# Altium PCB Dahlia Carrier Board.PcbDoc (part 8 of 10)
Units mm, origin at the board's own origin, x right, y up, seen from the top; angles counter-clockwise.
Board outline 120 x 120 mm, 6 copper layers (Top Layer, GND, Layer 1, Layer 2, GND2, Bottom Layer), stack 1.558 mm thick; 879 components, 677 nets, 3194 pads, 1445 vias.
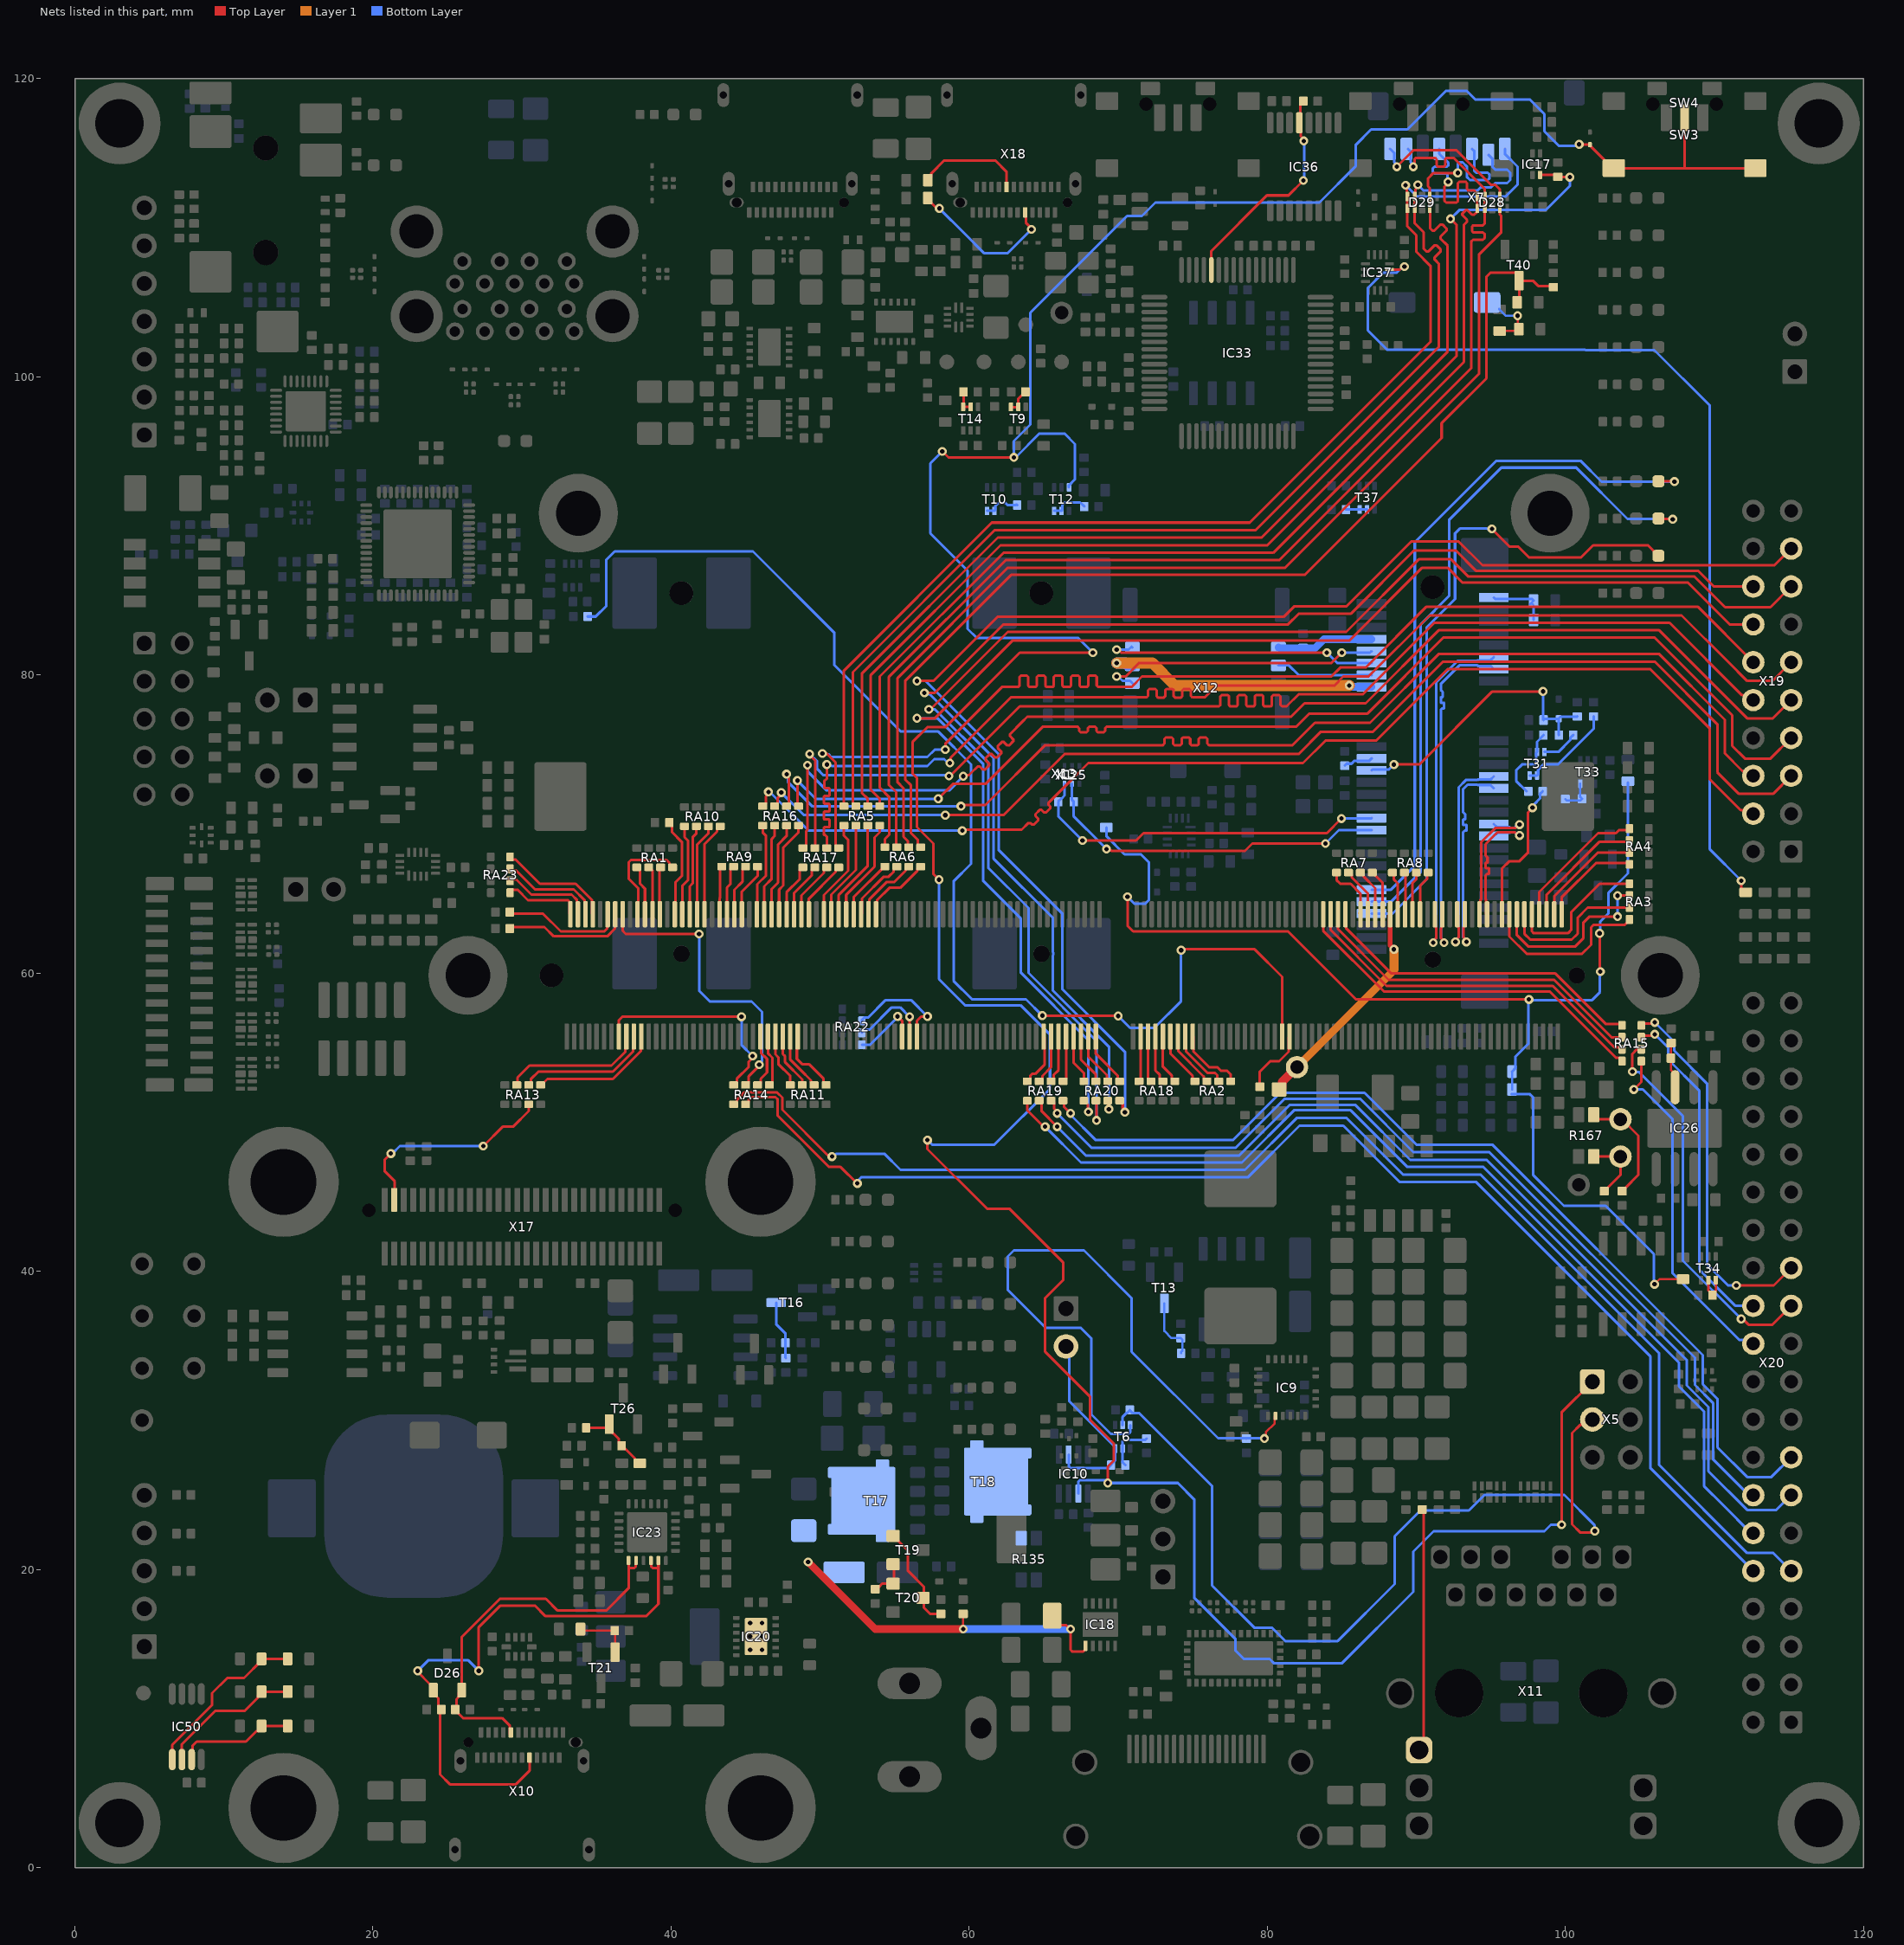
[diagram p12: the nets of this part, all layers, seen from the top]

## Via types
v1: diameter 0.6, hole 0.3, Top Layer to Bottom Layer, tented both sides, 1316 vias
v2: diameter 0.6/0/0/0/0/0.6 (per signal layer), hole 0.3, Top Layer to Bottom Layer, tented both sides, 70 vias
v3: diameter 0.6, hole 0.3, Top Layer to Bottom Layer, 58 vias
v4: diameter 0.6/0.6/0.6/0.6/0.6/0.6 (per signal layer), hole 0.3, Top Layer to Bottom Layer, tented both sides, 1 vias

## Nets (pads, with @x,y where several pads share a name; then routed paths per layer and width w, separated by ;. In a path a pad name is that pad's centre, name@x,y a point inside that pad or via, vN(x,y) a via of type N, cw(c..) or ccw(c..) an arc to the next point about the centre after c; other vN are vias at no path point) (continued)
NetR78_2: R78.2 R80.2 T6.5 | length 3.3
  Bottom Layer w0.175: R80.2@70.48,27 70.3,27.18 T6.5@70.3,28.11 70.3,28.597 70.403,28.7 71.82,28.7 R78.2@71.9,28.78
NetR102_1: R102.1 T9.5 T9.6 | length 1.7
  Top Layer w0.175: T9.6@62.8,97.99 62.8,97.965 T9.5@63.225,97.965 ; T9.5@63.3,97.99 63.3,98.538 63.54,98.778 63.582,98.778 63.78,98.975 R102.1@63.78,99
NetR109_1: R109.1 T10.5 T10.6 | length 2.5
  Bottom Layer w0.175: T10.6@61.2,91.01 T10.5@61.7,91.01 61.762,91.073 61.762,91.343 61.952,91.533 62.448,91.533 62.568,91.412 63.152,91.412 63.18,91.44 R109.1@63.22,91.4
NetR113_1: R113.1 R114.1 T13.3 | length 4.2
  Bottom Layer w0.15: T13.3@73.1,37.85 73.1,36 73.58,35.52 R113.1@74.2,35.52 74.3,35.42 74.3,34.665 74.22,34.585 R114.1@74.22,34.5
NetR115_1: R115.1 T12.5 T12.6 | length 2.6
  Bottom Layer w0.175: T12.6@65.7,91.01 T12.5@66.2,91.01 66.262,91.073 66.262,91.437 66.4,91.575 67.445,91.575 67.498,91.522 67.522,91.522 67.72,91.325 R115.1@67.72,91.3
NetR120_1: R120.1 T14.5 T14.6 | length 1.5
  Top Layer w0.175: R120.1@59.62,99 59.62,98.162 59.62,98.01 T14.6@59.6,97.99 T14.5@60.1,97.99
NetR121_1: R121.1 R123.1 T16.3 | length 4
  Bottom Layer w0.175: T16.3@47.05,37.9 47.05,36.45 47.68,35.82 R121.1@47.68,35.2 47.68,34.2 R123.1@47.7,34.18
NetR135_1: R135.1 T18.5 T18.6 T18.7 T18.8
NetR137_1: R137.1 T19.1 T20.3 | length 7
  Top Layer w0.175: T19.1@54.9,22.25 54.95,22.25 55.275,21.925 55.275,21.875 55.9,21.25 55.9,19.9 56.948,18.852 56.948,18.094 56.948,17.452 57.38,17.02 R137.1@58.1,17.02
NetR139_2: R139.2 T19.2 T20.1 | length 2.7
  Top Layer w0.175: R139.2@53.7,18.68 53.823,18.802 53.922,18.802 54.164,19.044 54.948,19.044 54.948,20.302 T19.2@54.9,20.35
NetR157_1: R157.1 R167.2 TP10.1 | length 4.6
  Top Layer w0.175: R167.2@101.908,47.703 103.697,47.703 TP10.1@103.7,47.7 103.7,46.464 102.837,45.602 102.837,45.577 102.64,45.379 R157.1@102.615,45.379
NetR158_1: R158.1 R167.3 TP11.1 | length 7.8
  Top Layer w0.175: R167.3@101.908,50.497 101.908,50.494 102.201,50.2 103.8,50.2 104.9,49.1 104.9,46.464 104.037,45.602 104.037,45.577 103.84,45.379 R158.1@103.815,45.379
NetR162_2: R162.2 R163.2 T21.1 | length 3.9
  Top Layer w0.15: R162.2@33.925,16 33.925,15.9 R163.2@36.25,15.9 ; R163.2@36.22,15.9 R163.2@36.25,15.9 ; T21.1@36.25,14.45 R163.2@36.25,15.9
NetR175_1: R175.1 R176.1 R178.2 T26.1 | length 5.2
  Top Layer w0.175: R175.1@34.3,29.5 35.625,29.5 T26.1@35.82,29.695 ; T26.1@35.85,29.75 35.85,29.725 T26.1@35.82,29.695 ; R176.1@37.9,27.125 37.8,27.125 37.562,27.363 37.562,27.463 36.947,28.078 36.877,28.078 36.68,28.275 R178.2@36.68,28.3 36.507,28.473 36.507,28.743 35.842,29.408 35.842,29.673 T26.1@35.82,29.695
NetR206_1: R206.1 X11.15 | length 16.4
  Top Layer w0.175: X11.15@90.193,7.886 90.277,7.886 90.5,8.109 90.5,23.92 R206.1@90.4,24.02
NetR222_1: R222.1 T31.5 T31.6 | length 6.6
  Bottom Layer w0.175: T31.6@97.6,73.26 T31.5@98.1,73.26 98.175,73.335 98.175,73.65 98.525,74 99.5,74 101.9,76.4 R222.1@101.9,77.22
NetR224_1: R224.1 T31.3 | length 2.5
  Bottom Layer w0.175: T31.3@98.6,74.84 99.54,74.84 100.331,75.631 100.331,75.779 R224.1@100.528,75.976
NetR228_1: R228.1 R229.1 T33.3 | length 2.3
  Bottom Layer w0.15: R229.1@100,71.68 100.1,71.58 101,71.58 R228.1@101.12,71.7 101,71.82 T33.3@101,72.71
NetR236_1: R236.1 T34.5 T34.6 | length 2.2
  Top Layer w0.15: T34.5@109.6,39.41 109.6,38.705 109.88,38.425 R236.1@109.88,38.4 109.992,38.513 110.09,38.61 110.09,38.713 110.1,38.723 T34.6@110.1,39.41
NetR245_1: R245.1 T37.5 T37.6 | length 1.4
  Bottom Layer w0.175: R245.1@85.28,91.1 85.285,91.105 86.695,91.105 T37.5@86.7,91.11
NetR297_2: R297.2 X18.B5 | length 7.3
  Top Layer w0.175: R297.2@57.225,113.2 57.462,113.437 57.462,113.663 58.3,114.5 61.775,114.5 62.5,113.775 X18.B5@62.5,112.74
NetR298_2: R298.2 X18.A5 | length 10.5
  Top Layer w0.175: R298.2@57.225,112 57.225,111.9 57.462,111.662 57.476,111.662 57.757,111.381 57.919,111.381 v1(58,111.3) ; X18.A5@63.75,111.04 63.8,110.99 63.8,110.35 64.175,109.975 v1(64.175,109.9)
  Bottom Layer w0.175: v1(58,111.3) 59.686,109.614 61.015,108.286 62.56,108.286 v1(64.175,109.9)
NetR351_1: R351.1 R353.2 X7.10B | length 3.6
  Top Layer w0.15: R353.2@95.6,103.075 95.7,103.075 95.712,103.088 96.763,103.088 96.8,103.125 v1(96.8,104.1)
  Bottom Layer w0.15: X7.10B@95.56,104.563 96.023,104.1 v1(96.8,104.1)
PCIE_1_C_FB: IC26.7 R237.1 R238.2 | length 3.1
  Top Layer w0.15: R237.1@107.1,55.315 107.1,54.315 R238.2@107.08,54.295 107.08,53.508 107.365,53.223 IC26.7@107.365,52.35 IC26.7@107.365,52.345
PCIE_1_CLK_N: X1.226 X13.11 | length 24.1
  Top Layer w0.175: v2(91.134,62.05) 91.134,62.154 91.345,62.365 91.345,62.714 91.348,62.716 91.348,63 91.313,63.035 91.313,63.887 X1.226@91.25,63.95
  Bottom Layer w0.175: v2(91.134,62.05) 91.134,62.154 91.345,62.365 91.345,79.526 92.771,80.953 94.102,80.953 94.137,80.988 94.988,80.988 X13.11@95.2,81.2
PCIE_1_CLK_P: X1.228 X13.13 | length 24.1
  Top Layer w0.175: X1.228@91.75,63.95 91.688,63.887 91.688,63.035 91.653,63 91.653,62.59 91.65,62.587 91.65,62.365 91.861,62.154 v2(91.861,62.05)
  Bottom Layer w0.175: v2(91.861,62.05) 91.861,62.154 91.65,62.365 91.65,77.2 91.65,77.663 91.753,77.765 91.848,77.765 91.866,77.784 91.866,78.121 91.848,78.14 91.669,78.14 91.65,78.159 91.65,78.496 91.669,78.515 91.753,78.515 91.771,78.534 91.771,78.871 91.753,78.89 91.65,78.993 91.65,79.125 91.65,79.4 92.897,80.647 94.102,80.647 94.137,80.612 94.988,80.612 X13.13@95.2,80.4
PCIE_1_L0_RX_N: X1.232 X13.23 | length 15.1
  Top Layer w0.175: v2(92.634,62.1) 92.634,62.199 92.85,62.415 92.85,63.057 92.813,63.095 92.813,63.887 X1.232@92.75,63.95
  Bottom Layer w0.175: v2(92.634,62.1) 92.634,62.204 92.845,62.415 92.845,72.476 93.321,72.953 94.102,72.953 94.137,72.988 94.988,72.988 X13.23@95.2,73.2
PCIE_1_L0_RX_P: X1.234 X13.25 | length 15.2
  Top Layer w0.175: X1.234@93.25,63.95 93.188,63.887 93.188,63.092 93.155,63.06 93.155,62.415 93.361,62.209 v2(93.361,62.1)
  Bottom Layer w0.175: v2(93.361,62.1) 93.361,62.204 93.15,62.415 93.15,69 93.15,69.463 93.253,69.565 93.363,69.565 93.382,69.584 93.382,69.921 93.363,69.94 93.169,69.94 93.15,69.959 93.15,70.296 93.169,70.315 93.259,70.315 93.277,70.334 93.277,70.671 93.259,70.69 93.253,70.69 93.15,70.793 93.15,71.075 93.15,72.35 93.448,72.648 94.102,72.648 94.137,72.612 X13.25@94.236,72.612 ; X13.25@94.212,72.636 X13.25@94.236,72.612 ; X13.25@95.2,72.4 94.988,72.612 X13.25@94.236,72.612
PCIE_1_L0_TX_N: X1.238 X13.31 | length 9.9
  Top Layer w0.175: X1.238@94.25,63.95 94.313,64.012 94.313,64.909 94.348,64.944 94.348,68.779 95.324,69.755 96.681,69.755 96.892,69.966 v2(96.925,69.966)
  Bottom Layer w0.175: X13.31@95.2,70 95.413,69.788 96.263,69.788 96.295,69.755 96.61,69.755 96.821,69.966 v2(96.925,69.966)
PCIE_1_L0_TX_P: X1.240 X13.33 | length 9.9
  Top Layer w0.175: X1.240@94.75,63.95 94.688,64.012 94.688,64.909 94.653,64.944 94.653,66.1 94.653,66.563 94.755,66.665 94.866,66.665 94.885,66.684 94.885,67.021 94.866,67.04 94.671,67.04 94.653,67.059 94.653,67.396 94.671,67.415 94.759,67.415 94.778,67.434 94.778,67.771 94.759,67.79 94.755,67.79 94.653,67.893 94.653,68.125 94.653,68.653 95.45,69.45 96.625,69.45 96.836,69.239 v2(96.925,69.239)
  Bottom Layer w0.175: X13.33@95.2,69.2 95.413,69.412 96.263,69.412 96.3,69.45 96.61,69.45 96.821,69.239 v2(96.925,69.239)
PCIE_1_PWR_EN: R213.1 R230.2 R231.2 R232.1 R234.2 | length 86.9
  Top Layer w0.15: v1(105.982,39.132) 106.325,39.475 R234.2@107.9,39.475
  Top Layer w0.175: v1(70.625,65.125) 70.625,63.175 71,62.8 81.4,62.8 85.95,58.25 97.501,58.25 97.513,58.238 v1(97.557,58.238) ; v1(102.294,62.671) 102.32,62.645 102.32,60.132 v1(102.346,60.105)
  Bottom Layer w0.15: R231.2@96.425,52.2 R230.2@96.425,53.4
  Bottom Layer w0.175: R213.1@69.2,69.775 69.2,69.2 70.425,67.975 71.525,67.975 72.05,67.45 72.05,64.9 71.8,64.65 71.1,64.65 v1(70.625,65.125) ; R231.2@96.4,51.9 97.6,51.9 97.85,51.65 97.85,46.45 99.9,44.4 102.7,44.4 105.945,41.155 105.945,39.17 v1(105.982,39.132) ; R230.2@96.425,53.4 96.662,53.638 96.662,54.41 97.513,55.26 97.513,58.193 v1@97.52,58.2 ; v1(97.557,58.238) v1@97.52,58.2 ; v1(102.294,62.671) 102.35,62.727 102.35,63.475 102.9,64.025 102.9,65.4 104.2,66.7 R232.1@104.2,72.8 ; v1(102.346,60.105) 102.325,60.084 102.325,58.725 101.8,58.2 v1@97.52,58.2
PCIE_1_RESET#: R219.2 R226.2 T31.2 | length 5.3
  Bottom Layer w0.175: R219.2@97.4,72.2 96.7,72.9 96.7,73.6 97.1,74 97.935,74 98.038,74.103 98.038,74.778 T31.2@98.1,74.84 98.1,75.523 98.528,75.951 R226.2@98.528,75.976
PCIE_1_SMCLK: IC25.7 R209.1 X13.30 | length 24.7
  Top Layer w0.175: v1(67.6,68.9) 71.2,68.9 71.7,69.4 84,69.4 v1(84.975,70.375)
  Bottom Layer w0.175: IC25.7@66.4,72.695 66.4,71.92 66.202,71.723 66.177,71.723 65.98,71.525 65.98,70.52 v1(67.6,68.9) ; v1(84.975,70.375) 86.975,70.375 X13.30@87,70.4
PCIE_1_SMDAT: IC25.6 R208.1 X13.32 | length 23.8
  Top Layer w0.175: v1(69.216,68.329) 69.297,68.248 69.483,68.248 69.531,68.2 78.5,68.2 79,68.7 v1(83.9,68.7)
  Bottom Layer w0.175: IC25.6@66.9,72.695 66.9,71.62 R208.1@67.02,71.5 67.02,71.49 67,71.47 67,70.545 68.837,68.708 v1(69.216,68.329) ; v1(83.9,68.7) 84.8,69.6 X13.32@87,69.6
PCIE_1_UIM_CLK: X12.S3 X13.12 | length 18.6
  Top Layer w0.175: v1(69.9,81.7) 70.015,81.7 70.215,81.5 v1(84,81.5)
  Bottom Layer w0.175: v1(69.9,81.7) 70.7,81.7 70.9,81.9 X12.S3@70.95,81.85 ; v1(84,81.5) 84.7,80.8 X13.12@87,80.8
PCIE_1_UIM_DATA: X12.S6 X13.10 | length 19.2
  Top Layer w0.175: v1(69.9,79.9) 70.5,79.9 71.4,80.8 84.3,80.8 v1(85,81.5)
  Bottom Layer w0.175: v1(69.9,79.9) 69.9,80 70.29,79.61 70.79,79.61 X12.S6@70.95,79.45 ; v1(85,81.5) 86.9,81.5 X13.10@87,81.6
PCIE_1_UIM_PWR: C230.2 X12.S1 X13.8 | length 6.5
  Bottom Layer w0.5: X12.S1@80.75,81.85 80.79,81.81 83.21,81.81 83.8,82.4 X13.8@87,82.4
PCIE_1_UIM_RESET: X12.S2 X13.14 | length 6.5
  Bottom Layer w0.175: X12.S2@80.75,80.65 81.45,80.65 82.1,80 X13.14@87,80
PCIE_1_UIM_VPP: X12.S5 X13.16 | length 18.9
  Layer 1 w0.75: v1(69.9,80.8) 72.3,80.8 73.8,79.3 v1(85.5,79.3)
  Bottom Layer w0.5: v1(85.5,79.3) 85.527,79.3 85.622,79.205 86.995,79.205 X13.16@87,79.2
  Bottom Layer w0.75: v1(69.9,80.8) 70.501,80.8 70.626,80.675 70.925,80.675 X12.S5@70.95,80.65
PCIE_1_WAKE#: R2.2 R217.2 X13.1 | length 4.2
  Bottom Layer w0.175: X13.1@95.2,85.2 95.3,85.1 97.775,85.1 R2.2@97.875,85 97.875,84.987 97.638,84.75 R2.2@97.625,84.75 ; R2.2@97.8,84.737 97.875,84.663 R217.2@97.875,83.7
PCIE_1_WDISABLE#: R212.1 X13.20 | length 2
  Bottom Layer w0.18: R212.1@85.2,73.92 85.332,74.052 85.652,74.052 85.85,74.25 86.85,74.25 X13.20@87,74.4
PCIE_1_WLAN#: LED19.K X13.44 | length 47.4
  Top Layer w0.175: LED19.K@106.25,90.5 106.275,90.475 107.175,90.475 v1(107.2,90.45)
  Bottom Layer w0.175: X13.44@87,64.8 88.3,64.8 90.3,66.8 90.3,83.4 92.2,85.3 92.2,90.4 95.712,93.912 100.737,93.912 104.175,90.475 107.175,90.475 v1(107.2,90.45)
PCIE_1_WPAN#: LED20.K X13.46 | length 43.8
  Top Layer w0.175: v1(95.075,89.8) 96.275,88.6 96.85,88.6 97.55,87.9 101.07,87.9 101.87,88.7 105.55,88.7 LED20.K@106.25,88
  Bottom Layer w0.175: X13.46@87,64 88.4,64 90.7,66.3 90.7,83.2 92.6,85.1 92.6,89.5 92.925,89.825 94.725,89.825 94.75,89.8 v1(95.075,89.8)
PCIE_1_WWAN#: LED18.K X13.42 | length 46.6
  Top Layer w0.175: LED18.K@106.25,93 106.262,92.988 107.313,92.988 v1(107.325,92.975)
  Bottom Layer w0.175: X13.42@87,65.6 88.3,65.6 89.9,67.2 89.9,88.9 95.35,94.35 101.05,94.35 102.425,92.975 v1(107.325,92.975)
PERST#: C141.2 D38.A R223.1 R224.2 X13.22 | length 19.1
  Top Layer w0.175: v1(88.5,74) 90.2,74 95.1,78.9 v1(98.5,78.9)
  Bottom Layer w0.175: X13.22@87,73.6 87.06,73.66 88.16,73.66 v1(88.5,74) ; v1(98.5,78.9) 98.5,77.014 C141.2@98.538,76.976 98.628,77.066 D38.A@99.548,77.066 ; R224.2@99.568,75.976 99.548,75.996 D38.A@99.548,77.066 ; R223.1@100.8,77.22 100.771,77.191 99.673,77.191 D38.A@99.548,77.066
PMIC_EN_3.3V: IC9.2 R79.2 T6.3 | length 44.5
  Top Layer w0.15: v1(79.815,28.782) 79.901,28.868 79.901,29.201 80.5,29.8 80.5,30.25 IC9.2@80.55,30.3
  Bottom Layer w0.175: T6.3@70.8,29.69 70.8,29.203 70.697,29.1 69.5,29.1 68.2,30.4 68.2,35.5 67.5,36.2 65.149,36.2 62.6,38.749 62.6,41 63,41.4 67.7,41.4 70.9,38.2 70.9,34.6 76.7,28.8 78.58,28.8 R79.2@78.6,28.78 78.63,28.81 79.787,28.81 v1(79.815,28.782)
PWM_1: RA14.8 X20.9 | length 92.6
  Top Layer w0.175: RA14.8@44.2,51.2 44.25,51.2 44.412,51.363 44.412,51.498 44.904,51.99 47.123,51.99 47.463,51.65 47.463,50.837 50.519,47.781 50.719,47.781 v1(50.8,47.7)
  Bottom Layer w0.175: v1(50.8,47.7) 50.915,47.7 51.103,47.888 54.313,47.888 55.4,46.8 78.5,46.8 82,50.3 85.3,50.3 89.1,46.5 94.3,46.5 106.3,34.5 106.3,27 112.2,21.1 113.95,21.1 X20.9@115.15,19.9
PWM_2: RA14.7 X20.10 | length 89.4
  Top Layer w0.175: RA14.7@45,51.2 45.05,51.2 45.212,51.363 45.212,51.498 45.402,51.688 46.998,51.688 47.161,51.525 47.161,50.44 50.6,47 51.372,47 52.472,45.9 v1(52.5,45.9)
  Bottom Layer w0.175: v1(52.5,45.9) 52.5,46.015 52.648,46.163 52.648,46.197 52.765,46.314 56.113,46.314 56.128,46.3 78.7,46.3 82.168,49.768 85.105,49.768 88.873,46 94,46 105.7,34.3 105.7,26.81 X20.10@112.61,19.9
PWM_3_DSI: RA13.6 X17.58 | length 14.3
  Top Layer w0.175: v1(21.2,47.9) 20.8,47.5 20.8,46.7 21.466,46.034 X17.58@21.466,44.899 ; v1(27.4,48.4) 28.7,49.7 29.4,49.7 30.45,50.75 RA13.6@30.45,51.2
  Bottom Layer w0.175: v1(21.2,47.9) 21.3,47.9 21.8,48.4 v1(27.4,48.4)
PWR_1V8_MOCI: L21.1 TP18.1 X1.214 | length 15.1
  Top Layer w0.3: X1.214@88.25,63.95 88.25,61.85 v1(88.5,61.6)
  Top Layer w0.6: L21.1@80.8,52.2 80.825,52.2 81,52.375 81,52.7 TP18.1@82,53.7
  Layer 1 w0.502: TP18.1@82,53.7 88.534,60.234 88.5,60.268
  Layer 1 w0.6: 88.5,60.268 v1(88.5,61.6)
PWR_BTN#: D23.1 IC10.2 SW3.3 SW3.4 SW4.2 T12.3 X5.1 | length 250.5
  Top Layer w0.175: v1(57.2,48.8) 57.2,48.2 61.2,44.2 62.7,44.2 66.3,40.6 66.3,39.406 65.1,38.206 65.1,34.6 68.1,31.6 68.1,30.051 69.7,28.451 69.7,27.3 69.3,26.9 v1(69.3,25.8) ; v1(57.975,66.275) 57.6,66.65 57.6,68.7 56.5,69.8 56.5,73.1 56.2,73.4 56.2,75.5 57.2,76.5 58.4,76.5 63.4,81.5 v1(68.3,81.5) ; v1(58.2,95) 58.215,95 58.615,94.6 v1(63,94.6) ; v1(99.75,23) 99.75,30.535 X5.1@101.815,32.6 ; v1(100.925,115.6) 100.935,115.59 101.64,115.59 D23.1@101.65,115.58 101.65,115.525 101.687,115.488 101.689,115.488 102.589,114.587 102.589,114.512 103.101,114 SW3.4@103.25,114 108,114 ; SW4.2@108,117.4 108,114 ; SW3.3@113.25,114 SW3.3@112.75,114 108,114
  Bottom Layer w0.175: v1(57.2,48.8) 57.215,48.8 57.515,48.5 61.7,48.5 65.425,52.225 65.425,55.875 63.45,57.85 59.725,57.85 57.975,59.6 v1(57.975,66.275) ; v1(58.2,95) 57.398,94.198 57.398,89.502 59.9,87 59.9,83.1 60.5,82.5 67.3,82.5 v1(68.3,81.5) ; v1(63,94.6) 63.112,94.6 64.712,96.2 66.4,96.2 67.1,95.5 67.1,93.125 66.7,92.725 T12.3@66.7,92.59 ; v1(63,94.6) 63,95.7 64.1,96.8 64.1,104.3 70.6,110.8 71.6,110.8 72.5,111.7 83.5,111.7 85.925,114.125 85.925,115.55 86.975,116.6 89.4,116.6 91.974,119.174 93.396,119.174 93.955,118.614 97.613,118.614 98.6,117.628 98.6,116.472 99.587,115.486 100.695,115.486 100.81,115.6 v1(100.925,115.6) ; IC10.2@67.325,25.09 67.337,25.102 67.337,25.897 67.44,26 v1@69.175,26 ; v1(69.3,25.8) 74,25.8 75.1,24.7 75.1,18.1 77.875,15.325 77.875,14.55 78.425,14 80.16,14 80.46,13.7 85,13.7 89.8,18.5 89.8,21.2 91.162,22.563 98.598,22.563 99.035,23 v1(99.75,23)
PWR_CTRL: R87.2 T6.2 X5.3 | length 59.6
  Top Layer w0.175: X5.3@101.815,30.06 101.416,30.06 101.049,29.694 100.994,29.694 100.45,29.151 100.45,23.022 100.987,22.485 101.886,22.485 v1(101.975,22.575)
  Bottom Layer w0.175: T6.2@70.3,29.69 70.3,30.238 70.54,30.478 70.582,30.478 R87.2@70.78,30.675 ; R87.2@70.78,30.7 R87.2@70.78,30.675 ; v1(101.975,22.575) 101.975,22.953 99.928,25 94.575,25 93.525,23.95 90.275,23.95 88.55,22.225 88.55,19.025 84.725,15.2 81.2,15.2 80.3,16.1 79.125,16.1 76.3,18.925 76.3,25.6 71.423,30.478 70.977,30.478 R87.2@70.78,30.675
PWR_EN#: IC10.6 JP3.2 R80.1 T6.6 | length 13.3
  Bottom Layer w0.175: JP3.2@66.082,34.618 JP3.2@66.282,34.618 ; JP3.2@66.35,34.81 66.714,34.446 66.714,31.286 69.692,28.307 69.737,28.307 69.8,28.245 T6.6@69.8,28.11 69.8,27.305 R80.1@69.557,27.063 ; IC10.6@66.675,27.71 66.675,26.925 66.8,26.8 69.32,26.8 R80.1@69.52,27
PWR_IN_1_FILT: C95.2 IC18.1 L20.2 R134.2 R138.2 T17.5 T17.6 T17.7 T17.8 | length 25.5
  Top Layer w0.15: 58.872,16 58.958,16.086 59.6,16.086 R134.2@59.6,17.02
  Top Layer w0.175: R138.2@65.575,16.9 65.575,16.812 66.112,16.275 66.485,16.275 66.76,16 v1(66.8,16) ; v1@66.8,15.972 66.8,14.603 66.903,14.5 67.66,14.5 67.762,14.603 67.762,14.837 IC18.1@67.8,14.875
  Top Layer w0.5: v1(49.2,20.5) 53.7,16 58.986,16 v1(59.6,16)
  Bottom Layer w0.5: v1(59.6,16) v1(66.8,16)
PWR_IN_2_CC1: C127.2 D26.2 IC23.1 IC23.2 X10.A5 | length 25.7
  Top Layer w0.175: C127.2@25.6,10.66 25.54,10.6 C127.2@25.52,10.6 25.52,10.56 26.047,10.032 28.668,10.032 29.188,9.513 29.188,8.976 X10.A5@29.2,8.963 ; C127.2@25.6,10.7 25.6,11.3 25.739,11.439 25.739,11.689 D26.2@25.95,11.9 25.95,15.467 28.519,18.036 31.594,18.036 32.392,17.237 35.648,17.237 37.15,18.739 37.15,20.1 ; IC23.1@37.15,20.6 37.15,20.1 ; IC23.2@37.65,20.6 37.638,20.588 37.638,20.203 37.535,20.1 37.15,20.1
PWR_IN_2_CC2: C128.2 D26.1 IC23.4 IC23.5 X10.B5 | length 39.9
  Top Layer w0.175: v1(23,13.2) 23,13.122 23.811,12.311 23.838,12.311 24.05,12.099 24.05,11.699 24.387,11.361 24.387,10.803 C128.2@24.59,10.6 24.5,10.51 24.5,6.25 25.16,5.59 29.59,5.59 30.5,6.5 X10.B5@30.5,7.359 ; v1(27.1,13.2) 27.1,16.124 28.554,17.578 30.858,17.578 31.573,16.863 38.323,16.863 39.15,17.69 39.15,20.1 ; IC23.4@38.65,20.6 38.662,20.588 38.662,20.203 38.765,20.1 39.15,20.1 ; IC23.5@39.15,20.6 39.15,20.1
  Bottom Layer w0.175: v1(23,13.2) 23.7,13.9 26.4,13.9 v1(27.1,13.2)
PWREN#: IC33.60 IC36.13 R318.1 | length 15
  Top Layer w0.175: IC33.60@76.25,107.175 76.25,108.45 79.975,112.175 81.425,112.175 v1(82.425,113.175) ; IC36.13@82.15,117.05 82.225,117.125 82.225,118.305 R318.1@82.42,118.5 ; IC36.13@82.25,117.05 82.25,116.14 82.45,115.94 v1(82.45,115.825)
  Bottom Layer w0.175: v1(82.425,113.175) 82.482,113.232 82.482,115.793 v1(82.45,115.825)
QSPI_1_CLK: RA16.5 X19.4 | length 79.9
  Top Layer w0.175: RA16.5@46.15,71.2 46.2,71.2 46.363,71.363 46.363,71.874 46.531,72.042 v2(46.531,72.157) ; v2(59.537,69.563) 59.597,69.623 63.477,69.623 63.523,69.623 63.968,70.068 64.113,70.068 64.218,69.963 64.34,69.963 64.625,70.248 64.625,70.37 64.45,70.545 64.45,70.667 64.735,70.951 64.857,70.951 65.032,70.777 65.154,70.777 65.438,71.061 65.438,71.183 65.333,71.288 65.333,71.433 66.012,72.112 68,74.1 82.4,74.1 83.9,75.6 87.3,75.6 92.1,80.4 105.7,80.4 109.7,76.4 109.7,73 111.764,70.936 112.374,70.936 X19.4@112.61,70.7
  Bottom Layer w0.175: v2(46.531,72.157) 46.629,72.157 49.223,69.563 v2(59.537,69.563)
QSPI_1_CS2#: RA17.7 X19.11 | length 82.2
  Top Layer w0.175: RA17.7@50.45,68.4 50.45,69.075 50.45,69.163 50.347,69.265 50.294,69.265 50.268,69.291 50.268,69.764 50.294,69.79 50.606,69.79 50.632,69.816 50.632,70.289 50.606,70.315 50.294,70.315 50.268,70.341 50.268,70.814 50.294,70.84 50.606,70.84 50.632,70.866 50.632,71.339 50.606,71.365 50.294,71.365 50.268,71.391 50.268,71.864 50.294,71.89 50.606,71.89 50.632,71.916 50.632,72.389 50.606,72.415 50.315,72.415 50.289,72.441 50.289,72.914 50.315,72.94 50.347,72.94 50.45,73.043 50.45,73.625 v2(50.45,74) ; v2(58.7,74.1) 58.772,74.172 58.772,74.472 62.8,78.5 71.811,78.5 71.898,78.5 72.001,78.603 72.001,78.98 72.087,79.066 72.49,79.066 72.576,78.98 72.576,78.576 72.662,78.49 73.065,78.49 73.151,78.576 73.151,78.98 73.237,79.066 73.64,79.066 73.726,78.98 73.726,78.576 73.812,78.49 74.215,78.49 74.301,78.576 74.301,78.98 74.387,79.066 74.79,79.066 74.876,78.98 74.876,78.603 74.978,78.5 75.581,78.5 75.8,78.5 76.6,79.3 84.5,79.3 85.1,79.9 86.8,79.9 90.9,84 107.8,84 110.9,80.9 112.2,79.6 113.89,79.6 X19.11@115.15,80.86
  Bottom Layer w0.175: v2(50.45,74) 50.531,73.919 50.746,73.919 50.765,73.9 57.2,73.9 57.664,74.364 58.321,74.364 58.585,74.1 v2(58.7,74.1)
QSPI_1_CS#: RA16.6 X19.5 | length 79.9
  Top Layer w0.175: RA16.6@46.95,71.2 47,71.2 47.163,71.363 47.163,71.762 47.4,71.999 v2(47.4,72.114) ; v2(58.4,70.6) 58.414,70.615 59.188,70.615 59.203,70.6 62.3,70.6 66.4,74.7 82.1,74.7 83.6,76.2 87.1,76.2 91.8,80.9 106,80.9 110.2,76.7 110.2,73.475 111.65,72.025 113.935,72.025 X19.5@115.15,73.24